# Allegro board FEMA_B40_V0P2.brd (continued)
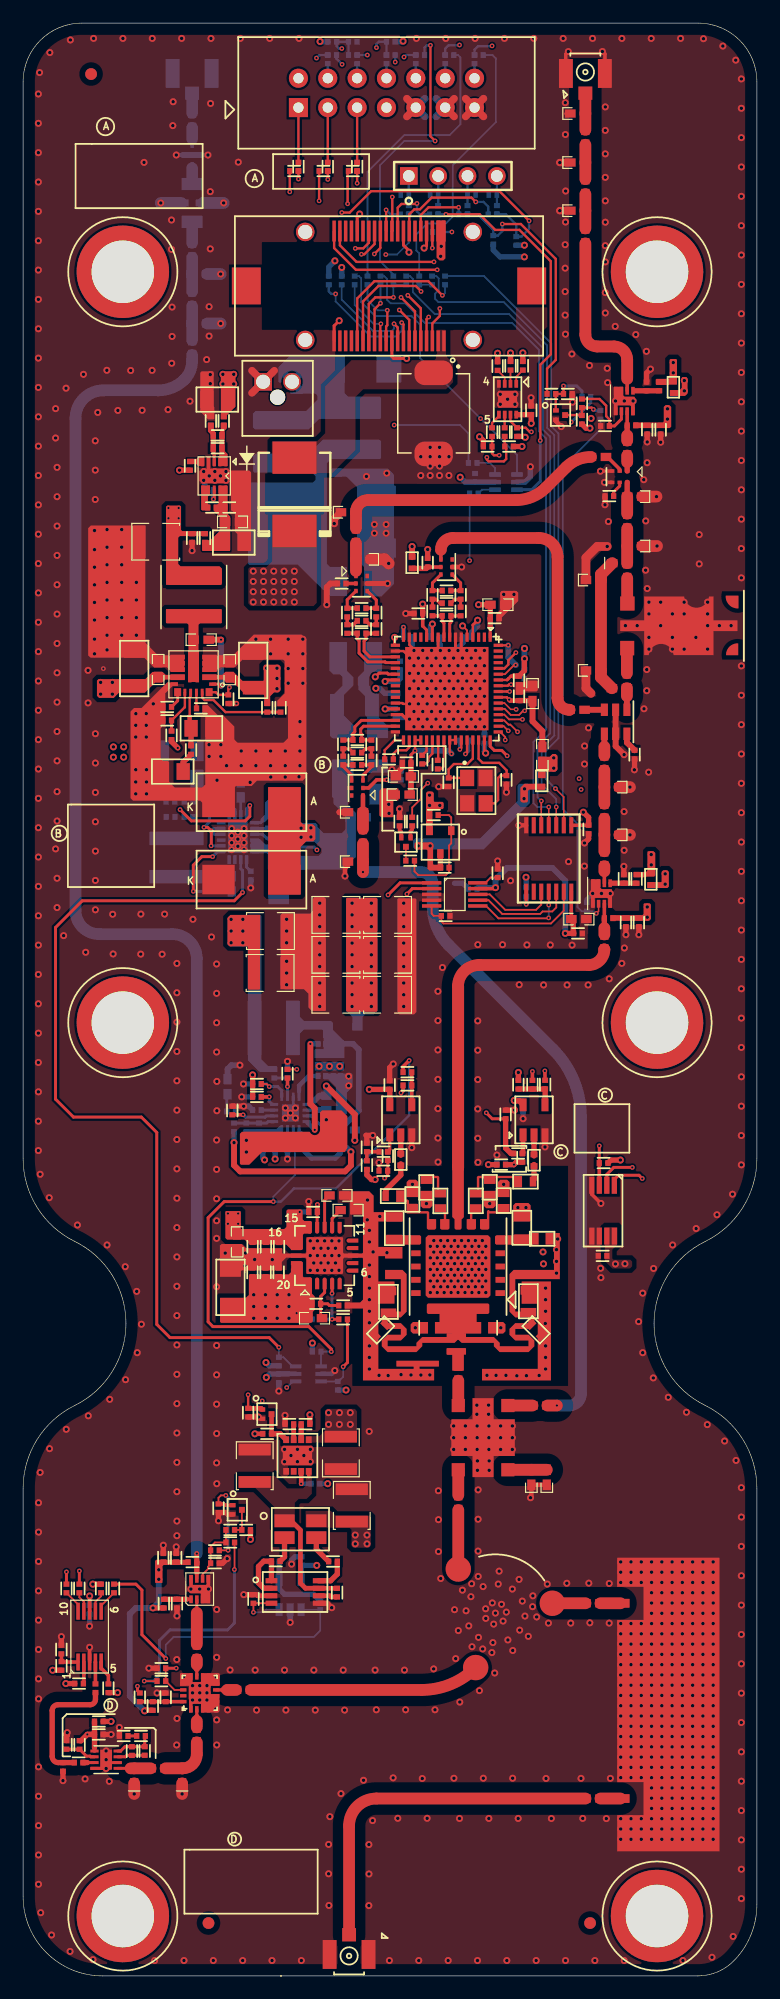
[diagram p0: board, top side]
## Routing (per net, layer and track width the routed paths; a pad name or vN(x,y) marks a point on that pad's centre or on a via; arc(x,y) is an arc through that point) (continued)
VCC_1V8: length 2.2
  TOP w0.457: Q4.2 R119.1 v2(35.17,101.3)
  vias: v2(7.81,106.36) v2(7.81,105.47) v2(8.7,106.36) v2(8.7,105.47) v2(35.17,102.18) v2(36.06,101.3)
VCC_3.3V: length 57.1
  TOP w0.305: U84.1 48.92,99.58 C179.1 ; U79.8 42.77,135.11 ; v2(5.76,32.88) U78.8
  TOP w0.394: R129.1 v2(20.06,46.91)
  TOP w0.457: R38.1 48.71,133.94 v2(49.05,133.94) ; R71.1 39.83,132.88 39.5,133.2 v2(39.5,133.2) ; R65.1 50.87,70.6 v2(51.69,70.6) ; R100.1 v2(19.68,37.77) ; v2(48.48,100.71) 48.94,100.25 C179.1 ; U86.5 31.73,76.71 C250.1 v2(29.96,76.72) ; R70.1 v2(43.17,132.36) ; 42.77,135.11 43.97,135.11 C91.1 v2(43.97,134.36) ; R273.1 29.75,69.31 30.15,68.92 v2(30.47,68.92) ; R63.1 v2(3.69,25.3) ; R69.1 v2(43.25,140.46) ; R123.1 v2(24.81,48.56) ; U85.5 42.92,75.73 42.62,75.73 42.58,75.77 v2(42.5,75.77) ; R66.1 v2(6.04,33.9) ; R284.2 v2(7.61,22.02) ; R271.1 v2(40.26,70.21) ; R98.1 v2(42.86,78.19) ; R64.1 v2(2.56,26.45) ; R283.2 v2(13.53,130.31) ; R68.1 v2(42.18,140.46) ; R73.1 v2(41.06,140.43) ; R67.1 43.32,133.23 43.39,133.15 v2(43.45,133.15) ; R352.1 v2(8.18,24.52)
  L3-SIG1 w0.508: v2(30.47,68.92) 29.5,69.89 29.5,73.78 29.96,74.24 v2(29.96,76.72)
  BOTTOM w0.394: U80.5 23,52.1 ; R124.1 v2(26.36,42.6)
  BOTTOM w0.457: v2(21.02,53.08) 21.3,52.8 R23.1 ; v2(21.05,51.8) 21.34,52.09 C44.1 22.14,52.1 23,52.1 ; R264.1 43.54,95.06 v2(43.52,95.08) ; C249.1 43.12,75.77 v2(42.5,75.77) ; v2(5.76,32.88) 5.75,32.87 C89.1 ; v2(26.98,148.43) 26.45,147.9 R266.1 ; R268.1 40.69,149.35 41.27,148.77 v2(43.38,148.77) ; v2(37.82,129.7) 38.25,129.28 C257.1 U87.5 ; v2(25.41,35.52) C167.1 24.06,35.5 U73.5 ; R269.1 v2(43.38,149.78) ; R267.1 v2(27.57,147.85) ; R22.1 v2(25.03,54.77) ; v2(30.53,111.43) 30.86,111.43 31.29,111 FB10.1
  vias: v1(20.7,49.76) v2(17.29,138.61) v2(17.29,137.77) v2(18.23,138.61) v2(18.23,137.77) v2(36.19,149.68) v2(36.13,148.82) v2(49.15,134.79) v2(51.26,61.61) v2(52.08,61.63)
VCC_5V: length 38.4
  TOP w0.305: v2(40.88,94.18) 40.8,94.1 U74.9 ; C180.1 47.44,92.21 U84.14
  TOP w0.457: R84.2 10.59,22.98 10.54,22.93 v2(10.51,22.93) ; R159.1 v2(11.24,31.84) ; C180.1 47.61,91.3 47.61,90.28 C178.1 46.92,90.22 v2(46.92,90.23)
  BOTTOM w0.457: C168.1 39.38,94.18 v2(40.88,94.18) ; R21.1 v2(27.95,50.7) ; v1(23.67,57.35) 24.2,56.83 R219.1
  BOTTOM w0.508: v2(46.92,90.23) 46.92,94.77 45.8,95.89 41.88,95.89 40.88,94.89 v2(40.88,94.18) ; v2(11.74,35.14) v2(11.74,34.32) 11.74,32.34 v2(11.24,31.84) 9.74,31.84 9.23,31.33 9.23,24.21 v2(10.51,22.93)
  vias: v2(19.96,58.95) v2(19.96,57.93) v2(19.96,56.92) v2(20.97,58.95) v2(20.97,57.93) v2(20.97,56.92) v2(21.99,58.95) v2(21.99,57.93) v2(21.99,56.92) v2(23.01,58.95) v2(23.01,57.93) v2(23.01,56.92) v2(55.56,95.37) v2(55.56,94.48) v2(57.22,138.06) v2(57.22,137.17)
VCC_5V5: length 2.4
  TOP w0.457: v1(18.47,110.11) R210.1 ; R209.1 12.84,106.82 v1(13.39,106.27)
  BOTTOM w0.457: R215.1 v1(23.94,66.11)
  vias: v1(12.57,127.04) v1(12.57,126.15) v1(13.46,127.04) v1(13.46,126.15) v1(17.72,65.98) v1(17.72,65.09) v1(18.61,65.98) v1(18.61,65.09)
VCC_12V: length 3.3
  BOTTOM w0.254: U1.14 25.26,74.93
  BOTTOM w0.457: R29.1 v2(19.32,72.31)
  BOTTOM w0.508: 25.26,74.93 26.23,74.93 C42.1 v2(26.24,74.09)
  vias: v2(6.71,111.94) v2(6.71,110.93) v2(7.72,111.94) v2(7.72,110.93) v2(18,91.44) v2(18,90.42) v2(18,89.41) v2(19.01,91.44) v2(19.01,90.42) v2(19.01,89.41) v2(19.32,71.3) v2(19.91,121.57) v2(19.91,120.68) v2(19.91,119.79) v2(19.91,118.9) v2(20.8,121.57) v2(20.8,120.68) v2(20.8,119.79) v2(20.8,118.9) v2(21.08,113.17) v2(21.69,121.57) v2(21.69,120.68) v2(21.69,119.79) v2(21.69,118.9) v2(21.97,113.17) v2(21.97,112.28) v2(21.97,111.39) v2(22.58,121.57) v2(22.58,120.68) v2(22.58,119.79) v2(22.58,118.9) v2(23.47,121.57) v2(23.47,120.68) v2(23.47,119.79) v2(23.47,118.9) v2(24.06,99.33) v2(24.06,98.54) v2(24.91,99.36) v2(24.91,98.57)
VCC_12VDC: length 3.1
  BOTTOM w0.635: J2.2 24,137.23 ; J2.2 22.54,138.69 ; J2.2 24,138.69
VCC_DRV_5V:
  vias: v2(54.01,92.51) v2(54.01,91.62) v2(54.36,97.04) v2(54.36,96.15)
VCC_PA: length 1.7
  BOTTOM w0.457: R31.2 v2(21.81,70.69) ; C53.2 20.74,70.77 v2(20.89,70.62)
  vias: v2(25.62,78.72) v2(26.43,48.74) v2(26.43,47.73) v2(26.51,78.72) v2(27.4,78.72) v2(27.37,48.74) v2(27.37,47.73) v2(28.31,48.74) v2(28.31,47.73) v2(28.47,92.84) v2(28.47,91.82) v2(28.47,90.81) v2(28.47,89.38) v2(28.47,88.37) v2(28.47,87.35) v2(28.47,85.93) v2(28.47,84.91) v2(28.47,83.9) v2(30.14,92.84) v2(30.14,91.82) v2(30.14,90.81) v2(30.14,89.38) v2(30.14,88.37) v2(30.14,87.35) v2(30.14,85.93) v2(30.14,84.91) v2(30.14,83.9)
VCC_RFPAL_1V8: length 1.2
  TOP w0.457: C151.2 Q4.3
  vias: v2(34.19,97.8) v2(35.22,97.8) v2(43.39,102.73) v2(43.35,101.88)
VDD_LIN_1.8V: length 17.6
  TOP w0.203: 39.92,105.97 39.92,105.97 39.92,105.93 ; U19.4 38.92,116.91 ; 39.92,105.93 v2(40.03,105.82) ; 39.92,105.93 39.92,105.93 U19.47
  TOP w0.254: 34.58,116.82 34.92,116.48 U19.12 ; U19.1 40.42,116.73 ; U19.11 v2(35.42,116.99) ; v2(30.47,112.42) 30.8,112.75 31.5,112.75 31.6,112.65 U19.22 ; 38.92,116.91 v2(39.33,117.32)
  TOP w0.305: 33.66,122.68 FB8.2 33.66,122.93 ; C147.1 34.58,116.82
  TOP w0.457: 40.42,116.73 40.42,117.49 C150.1 40.43,118.66 C155.1 v2(39.41,118.67) ; v2(34.58,118.72) C147.1
  TOP w0.508: 33.66,122.93 v2(33.66,123.7)
  BOTTOM w0.457: C145.1 39.92,105.93 v2(40.03,105.82) ; C146.1 38.82,116.3 39.33,116.81 v2(39.33,117.32) ; C156.1 35.25,116.83 v2(35.42,116.99)
  vias: v2(31.64,101.4) v2(31.67,100.61) v2(45.92,105.41) v2(45.92,104.52)
VDD_LIN_3.3V: length 91.6
  TOP w0.152: v2(38.03,116.83) 38.42,116.45 U19.5
  TOP w0.203: U19.58 41.88,112.15
  TOP w0.254: 41.88,112.15 42.22,112.49 42.45,112.49 ; U19.23 31.56,112.15 31.49,112.08 31.38,112.08 v2(31.33,112.03) ; v2(32.15,115.84) 32.15,115.23 U19.17 ; U19.28 31.62,109.65 31.61,109.64 v2(31.33,109.64)
  TOP w0.457: v2(43.39,114) 43.39,113.94 43.37,113.93 43.37,112.95 C159.1 42.45,112.49
  L5-PWR w0.457: 42.61,165.43 41.93,166.12 34.2,166.12 v2(32.88,167.44) 32.56,167.76 26.04,167.76 25.7,167.41 v2(25.7,167.41)
  L5-PWR w0.508: 42.61,165.43 45.09,162.96 45.09,141.4 50.5,135.99 50.5,135.98 50.95,135.54 50.95,135.54 52.72,133.76 52.72,119.38 47.34,114 v2(43.39,114)
  BOTTOM w0.457: C154.1 32.63,112.26 FB10.2 32.33,112.03 31.4,112.03 ; R108.1 25.72,167.38 25.7,167.41 v2(25.7,167.41) ; C153.1 31.62,109.65 31.61,109.64 v2(31.33,109.64) ; v2(32.88,167.44) 32.76,167.44 32.71,167.39 R256.1
  BOTTOM w0.508: 31.4,112.03 v2(31.33,112.03)
  vias: v2(43.39,114.87)
3P3V_REV_PD: length 5.1
  TOP w0.305: U88.5 6.18,19.75
  TOP w0.457: R307.2 5.02,20.36 v1(5.56,20.9) ; C261.2 5.95,20.9 ; C261.2 6.18,19.75 ; C261.2 R284.1 ; 5.95,20.9 v1(5.56,20.9) ; 5.95,20.9 v1(5.56,20.9)
  BOTTOM w0.457: C261.2 v1(5.56,20.9)
ANT_CIR_OUT: length 20
  TOP w1.016: C109.2 34.5,24.75 arc(37.02,25.25) U3.3
ANT_REF_PWR_DET_OUT: length 11.1
  TOP w0.457: R74.1 6.26,23.93 arc(6.13,23.6) 5.8,23.47 3.02,23.47 arc(2.66,23.32) 2.52,22.97 2.52,18.98 arc(2.67,18.61) 3.04,18.46 C277.1 R306.2
CH1_TRX_CNTRL: length 8.9
  TOP w0.152: R97.1 R96.2 13.1,24.75 U22.14
  TOP w0.254: v1(9.9,25.07) 9.9,24.69 R95.2 ; v1(13.25,26.63) R97.1
  L4-SIG2 w0.119: v1(13.25,26.63) 12.64,26.02 10.23,26.02 9.9,25.69 v1(9.9,25.07)
CH1_VCC_5V_SWIT: length 3.8
  TOP w0.305: U22.16 C101.1 R84.1 R95.1
DAC_CLR: length 14.8
  TOP w0.152: U74.5 35.36,91.92 35.53,91.74 36.18,91.74 R139.1 36.19,91.26 36.37,91.08 45.68,91.08 46.79,92.19 U84.13
DAC_CLR_CLR: length 54.7
  TOP w0.127: U84.2 46.79,102.03 v1(46.07,102.75)
  BOTTOM w0.152: v1(46.07,102.75) 45.23,103.59 45.23,106.02 46.32,107.11 46.32,133.5 45.7,134.12 45.7,141.29 39.88,147.11 R270.1
FREQ_R: length 3.3
  TOP w0.152: v1(21.3,76.96) 21.07,77.19 R26.2
  BOTTOM w0.254: U1.9 22.38,76.62 22.04,76.96 v1(21.3,76.96) 21.07,77.19 R26.2
I2C_SCL: length 186.7
  TOP w0.203: J1.40 26.91,149.53 28.8,147.65 v1(35.83,147.65) ; v1(40.13,131.42) 40.13,131.23 40.29,131.07 41.6,131.07 41.8,131.28 41.8,132.24 R70.2 41.68,132.37 R76.2
  TOP w0.254: R80.2 v1(3.75,34.96) ; U82.2 50.51,69.37 51.12,69.97 v1(52.72,69.97)
  L3-SIG1 w0.203: v1(3.75,34.96) 5.26,36.47 13.82,36.47 14.43,37.08 15.57,37.08 18.46,34.19 31.94,34.19 35.5,37.74 46.65,37.74 51.11,42.21 51.11,59.76 52.72,61.37 v1(52.72,69.97) 52.72,74.23 47.75,79.2 47.75,87.27 48.15,87.68 48.15,94.72 47.87,94.99 47.87,97.19 47.49,97.58 47.49,102.99 v1(48.12,103.62)
  L4-SIG2 w0.203: v1(48.12,103.62) 47.78,103.95 47.78,124.28 41.35,130.71 40.85,130.71 v1(40.13,131.42) 40.13,135.22 36.82,138.54 36.82,146.67 v1(35.83,147.65)
I2C_SDA: length 185.5
  TOP w0.203: R77.2 40.58,132.37 R71.2 40.58,131.77 40.74,131.6 v1(41.2,131.6) ; J1.39 27.41,149.77 28.85,148.34 v1(35.55,148.34)
  TOP w0.254: v1(53.58,69.01) 53.3,69.29 51.53,69.29 51.16,68.92 U82.1 ; R79.2 v1(4.87,35.04)
  L3-SIG1 w0.203: v1(48.29,102.67) 49.66,101.31 49.66,95.69 48.6,94.63 48.6,87.34 48.15,86.89 48.15,79.86 53.58,74.43 v1(53.58,69.01) 53.58,62.3 53.58,62.29 53.58,61.41 51.79,59.62 51.79,41.97 45.53,35.71 35.38,35.71 33.4,33.73 17.52,33.73 15.34,35.92 5.74,35.92 v1(4.87,35.04)
  L4-SIG2 w0.203: v1(48.29,102.67) 49.71,104.09 49.71,123.09 v1(41.2,131.6) 41.2,134.92 37.35,138.77 37.35,147.38 36.57,148.16 35.73,148.16 v1(35.55,148.34)
INT_VCC: length 18.1
  TOP w0.457: v2(19.86,77.98) R26.1 R24.1
  TOP w0.508: v2(28.7,72.31) 28.7,74.55 v2(26.24,77.01)
  L3-SIG1 w0.508: v2(19.86,77.98) 23.06,77.98 24.02,77.01 v2(26.24,77.01)
  BOTTOM w0.254: 25.21,75.74 24.9,75.43 U1.13
  BOTTOM w0.457: D2.A v2(28.7,72.31)
  BOTTOM w0.508: v2(26.24,77.01) C41.1 25.64,76.17 25.21,75.74
LDO_5V_PG: length 4.7
  TOP w0.254: U48.4 26.74,59.08 26.73,59.07 v1(26.73,59.07) ; R220.1 v1(26.73,56.83)
  BOTTOM w0.254: v1(26.73,59.07) 26.73,59.07 26.73,59.03 v1(26.73,56.83) R219.2
LIN2_RST: length 39.7
  TOP w0.203: J1.7 33.41,143.31 v1(32.56,144.17)
  L3-SIG1 w0.203: v1(32.56,144.17) 33.74,142.98 36.15,142.98 36.88,143.72 36.88,149.93 36.34,150.47 34.51,150.47 30.14,154.83 30.14,165 28.34,166.8 v1(27.58,166.8)
  BOTTOM w0.203: R254.1 C131.1 R108.2 27.13,167.38 27.13,167.01 27.34,166.8 v1(27.58,166.8)
LIN2_RST_R: length 80.5
  TOP w0.152: v1(41.72,106.96) 41.72,107.21 41.28,107.65 U19.49
  L4-SIG2 w0.203: v1(29.79,166.24) 26.8,166.24 26.49,166.55 23.52,166.55 22.32,165.35 22.32,141.73 24.99,139.07 24.99,132.93 32.14,125.78 39.03,125.78 40.56,124.26 40.56,108.12 v1(41.72,106.96)
  BOTTOM w0.203: R255.2 v1(29.79,166.24)
LIN2_STATO: length 28.7
  TOP w0.203: v1(36.06,144.3) 36.06,143.66 35.41,143.01 J1.3
  L3-SIG1 w0.203: v1(36.06,144.3) 35.68,144.68 35.68,147.06 34.03,148.72 34.03,149.43 29.61,153.85 29.61,156.87 27.6,158.88 v1(27.6,165.43)
  BOTTOM w0.203: R238.2 27.12,165.92 v1(27.6,165.43)
LIN2_STATO_R: length 69.9
  TOP w0.203: U19.57 41.94,111.65 42.04,111.75 v1(42.23,111.75)
  L4-SIG2 w0.203: v1(42.23,111.75) 43.64,111.75 44,112.11 44,123.35 40.28,127.08 34.59,127.08 32.58,129.09 32.58,133.02 26.37,139.23 26.37,149.09 27.07,149.78 27.07,156.23 25.06,158.24 25.06,165.65 v1(25.39,165.97)
  BOTTOM w0.203: v1(25.39,165.97) 25.65,166.24 R242.1
LIN2_TESTSEL: length 21.4
  TOP w0.203: J1.5 34.41,144.32 v1(33.29,145.44) ; R240.2 v1(25.62,153.62)
  L3-SIG1 w0.203: v1(25.62,153.62) 25.95,153.95 28.26,153.95 28.77,153.44 28.77,152.98 28.49,152.71 28.49,152.02 29.1,151.41 30.52,151.41 32.35,149.58 32.35,148.74 33.29,147.8 v1(33.29,145.44)
LIN2_TESTSEL_R: length 54.8
  TOP w0.203: R262.1 v1(26.37,155.48) ; v1(42.64,114.52) 41.99,113.87 41.99,113.49 41.65,113.15 U19.60
  L4-SIG2 w0.203: v1(26.37,155.48) 26.37,153.27 25.97,152.87 25.97,138.92 32.18,132.71 32.18,129.25 32.18,128.92 34.42,126.67 39.8,126.67 43.3,123.16 43.3,116 42.64,115.34 v1(42.64,114.52)
LIN2_TXENB: length 18
  TOP w0.203: v1(28.08,153.37) 28.08,156.13 R241.2 ; v1(32.71,145.26) 33.91,144.06 J1.6
  L3-SIG1 w0.203: v1(28.08,153.37) 28.08,152.82 28.09,152.81 28.09,152.39 28.08,152.39 28.08,151.79 28.87,151 30.32,151 31.94,149.38 31.94,148.57 32.71,147.81 v1(32.71,145.26)
LIN2_TXENB_R: length 58.5
  TOP w0.203: v1(42.1,111.16) 41.87,111.16 41.87,111.15 U19.56 ; R263.1 v1(28.91,155.14)
  L4-SIG2 w0.203: v1(28.91,155.14) 29.81,154.24 29.81,146.71 29.38,146.28 29.38,137.87 32.99,134.26 32.99,129.25 34.51,127.74 40.38,127.74 44.5,123.62 44.5,111.51 44.14,111.16 v1(42.1,111.16)
LIN2_WDTEN: length 22.9
  TOP w0.203: R239.2 v1(23.08,154.4) ; J1.4 34.91,143.38 v1(35.1,143.56)
  L3-SIG1 w0.203: v1(23.08,154.4) 23.12,154.44 28.35,154.44 32.76,150.04 32.76,148.95 35.1,146.61 v1(35.1,143.56)
LIN2_WDTEN_R: length 61.1
  TOP w0.152: U19.50 41.59,108.15 v1(41.99,107.76)
  TOP w0.203: R261.1 v1(23.83,155.5)
  L4-SIG2 w0.203: v1(23.83,155.5) 23.83,153.92 25.56,152.18 25.56,132.94 32.31,126.19 39.39,126.19 40.96,124.61 40.96,108.78 v1(41.99,107.76)
PA_CIR_OUT: length 61.4
  TOP w1.016: v1(29.41,95.53) R107.2 R105.2 ; C278.2 v1(46.19,49.36)
  BOTTOM w1.016: v1(29.41,95.53) 34.41,95.53 arc(35.14,95.23) 35.44,94.5 35.44,92.55 arc(35.8,90.74) 36.82,89.21 45.87,80.17 arc(47.65,77.5) 48.28,74.36 48.28,50.38 arc(47.98,49.66) 47.26,49.36 v1(46.19,49.36)
PA_CIR_OUT_N: length 4.9
  TOP w0.254: L10.1 29.3,107.46 29.21,107.54 29.21,107.9 29.47,108.15 U19.31
  TOP w0.26: L10.1 30.13,106.96 L8.2
PA_CIR_OUT_P: length 5.8
  TOP w0.254: L10.2 28.55,107.51 28.71,107.67 28.71,108.09 29.27,108.65 U19.30
  TOP w0.305: L12.2 27.71,106.96 L10.2
PA_COUP_IN: length 23.6
  TOP w1.016: R116.2 R118.2 arc(29.11,127.41) 29.85,127.72 42.64,127.72 arc(44.04,128) 45.23,128.79 47.01,130.57 arc(47.99,131.23) C61.1
PA_COUP_IN_C: length 1.8
  TOP w0.254: 51.63,130.39 U29.2
  TOP w0.305: 51.63,130.39 50.57,131.45 C61.2
PA_COUP_IN_N: length 6.1
  TOP w0.254: L30.1 28.92,115.7 29.07,115.54 29.07,114.48 29.83,113.72 31.32,113.72 31.39,113.65 U19.20
  TOP w0.343: L30.1 28.91,116.19 L14.2
PA_COUP_IN_P: length 5.4
  TOP w0.254: U19.19 30.01,114.15 29.51,114.66 29.51,115.52 29.67,115.68 L30.2
  TOP w0.343: L16.2 30.56,116.18 L30.2
PA_CS_OUT: length 27.9
  TOP w0.254: R78.1 9.76,33.9 10.28,33.39 10.28,29.53 v1(12.35,27.46)
  BOTTOM w0.152: U73.1 25.71,31.69 R130.2 25.72,29.89 25.16,29.33 13.03,29.33 12.35,28.66 v1(12.35,27.46)
PA_ENABLE: length 95.9
  TOP w0.305: v1(32.7,76.42) 32.88,76.6 R298.1 ; R296.1 v1(45.15,78.32)
  L3-SIG1 w0.203: v1(31.38,148.97) 29.92,147.5 29.92,141.51 28.7,140.29 28.7,108.97 29.92,107.75 29.92,100.43 33.75,96.6 33.75,81.61 32.7,80.56 v1(32.7,76.42) 43.33,76.42 v1(45.15,78.32)
  BOTTOM w0.152: v1(31.38,148.97) 32.35,148.97 33.38,150 R360.2
PA_RFPAL_OUT_N: length 2.8
  TOP w0.254: U19.9 36.42,117.07 36.27,117.22 L11.1
  TOP w0.26: R111.1 35.43,117.7 L11.1
PA_RFPAL_OUT_P: length 2.7
  TOP w0.254: L11.2 37.02,117.13 36.92,117.04 U19.8
  TOP w0.26: L11.2 37.86,117.7 R113.1
PA_TEMP_SNS: length 104.5
  TOP w0.203: J1.30 31.95,151.04 v1(31.95,153.95)
  TOP w0.254: R65.2 v1(49.86,71.83)
  TOP w0.305: U82.3 49.86,70.35 R65.2
  L3-SIG1 w0.203: v1(31.95,153.95) 37.84,153.95 38.17,154.28 43.48,154.28 45.61,152.15 45.61,137.23 47.97,134.87 47.97,122.29 46.98,121.29 46.98,97.63 46.25,96.91 46.25,79.22 49.86,75.61 v1(49.86,71.83)
PA_VDS_EN: length 116.1
  TOP w0.203: J1.8 32.91,142.92 v1(32.76,143.08) ; v1(19.47,50.29) R131.1
  TOP w0.406: Q6.1 20.6,49.12 R131.1
  L3-SIG1 w0.203: v1(27.04,145.56) 26.53,145.05 26.53,142.93 27.04,142.42 27.04,128.4 25.8,127.15 25.8,123.52 27.04,122.28 27.04,103.48 21.64,98.07 21.64,88.54 18.05,84.96 18.05,74.65 19.96,72.75 19.96,64.16 18.54,62.74 18.54,51.23 v1(19.47,50.29)
  BOTTOM w0.152: v1(32.76,143.08) 32.76,142.37 32.28,141.88 30.07,141.88 27.04,144.91 v1(27.04,145.56)
  BOTTOM w0.203: v1(27.04,145.56) 26.67,145.56 26.45,145.78 R266.2
PA_VDS_PGOOD: length 69
  TOP w0.254: v1(26.67,54.02) 26.67,54.24 24.72,56.19 16.42,56.19 16.01,56.6 16.01,65.61 17.4,67.01 v1(21.65,67.01)
  TOP w0.305: v1(33.41,79.22) 32.88,78.69 R278.1 ; R277.1 v1(44.07,78.27)
  L3-SIG1 w0.254: v1(44.07,78.27) 43.13,79.22 v1(33.41,79.22)
  BOTTOM w0.152: U1.2 23.38,72.48 23.52,72.34 23.52,69.3 21.65,67.43 v1(21.65,67.01) ; U80.1 R22.2 v1(26.67,54.02)
  BOTTOM w0.203: v1(33.41,79.22) 33.41,74.48 27.07,68.15 23.43,68.15 22.3,67.01 v1(21.65,67.01)
PA_VGS_C: length 1.5
  TOP w0.457: 44.21,70.22 FB14.2 44.21,68.97 arc(44.19,68.84) R55.1
PA_VGS_CARRIER: length 36.8
  TOP w0.152: 34.09,94.1 33.68,94.1
  TOP w0.254: v1(40.08,74.69) 40.6,74.18 R295.1 ; U74.2 33.68,94.1 v1(33.21,93.63)
  TOP w0.457: R351.1 42.21,71.18 41.76,71.63 R295.1
  L3-SIG1 w0.203: v1(33.21,93.63) 32.79,93.63 31.35,92.19 31.35,75.48 32.71,74.12 39.51,74.12 v1(40.08,74.69)
PA_VGS_P: length 3.3
  TOP w0.457: R62.1 31.37,67.99 32.68,69.31 FB15.2 32.68,70.27
PA_VGS_PEAK: length 31.3
  TOP w0.254: v1(31.58,93.55) 32.63,94.6 U74.1 ; R350.1 31.56,69.69 R297.1 31.55,69.31 v1(31.28,69.04)
  L4-SIG2 w0.254: v1(31.28,69.04) 32.13,69.88 32.13,72.29 31.11,73.31 31.11,93.08 v1(31.58,93.55)
PSU_PGOOD: length 107.2
  TOP w0.203: v1(30.39,149.02) 30.91,149.54 J1.32
  L3-SIG1 w0.203: v1(30.39,149.02) 29.42,148.05 29.42,141.75 28.29,140.62 28.29,108.8 29.42,107.67 29.42,98.24 26.58,95.4 26.58,80.98 28.78,78.78 28.78,76.56 27.76,75.54 27.76,67.64 24.18,64.06 24.18,52.28 v1(22.81,50.92)
  BOTTOM w0.152: v1(22.81,50.92) 23.35,51.45 U80.4
RF_DET_REV_OUT: length 1
  TOP w0.254: U88.7 5.56,18.46
  TOP w0.457: 5.56,18.46 R306.1
RX_ATTN_IN: length 2.9
  BOTTOM w1.016: R99.2 R102.2 C126.1
RX_DUPL_OUT: length 1.5
  TOP w0.254: U22.11 15.03,26.54
  TOP w0.508: 15.03,26.54 15.03,26.93
  TOP w1.016: 15.03,26.93 C127.2
RX_LNA_EN: length 5.6
  TOP w0.152: R103.2 R355.2 16.6,37.51 16.23,37.14 R356.2 C128.1 16.23,35.64 15.99,35.4 15.99,35.21 15.53,34.75 U21.6
RX_LNA_OUT: length 122.5
  TOP w0.254: U21.7 15.03,34.88
  TOP w0.394: L7.2 v1(15.03,36.55)
  TOP w0.457: L7.2 15.03,35.81 15.03,34.88
  BOTTOM w1.016: C126.2 14.63,139.77 arc(14.45,138.89) 13.95,138.15 arc(12.93,137.46) 11.71,137.22 6.96,137.22 arc(5.24,136.51) 4.53,134.79 4.53,92.21 arc(5.13,90.76) 6.59,90.15 12.93,90.15 arc(14.41,89.54) 15.03,88.05 v1(15.03,36.55)
RX_RF_ENB: length 149.7
  TOP w0.152: R356.1 v1(17.74,36.83) ; v1(17.54,41.58) 17.11,41.58 16.91,41.38 R104.1 16.97,40.92
  TOP w0.203: v1(43.78,151.89) 41.22,154.46 30.11,154.46 28.26,152.6 v1(27.58,152.6)
  TOP w0.305: Q3.1 17.46,40.74 17.35,40.85 16.91,40.85 R104.1
  L3-SIG1 w0.203: v1(17.54,41.58) 17.54,42.24 18.13,42.82 18.13,62.91 19.55,64.33 19.55,69.41 17.64,71.32 17.64,85.97 21.13,89.46 21.13,98.83 26.64,104.34 26.64,115.39 25.39,116.64 25.39,127.48 26.64,128.73 26.64,142.21 26.13,142.72 26.13,149.8 27.58,151.26 v1(27.58,152.6)
  BOTTOM w0.203: v1(43.78,151.89) 43.78,151.18 43.13,150.53 R269.2 42.67,151.56 41.78,152.45 R363.2
  BOTTOM w0.254: v1(17.74,36.83) 17.74,41.39 v1(17.54,41.58)
SPI_APD_EN: length 25.1
  BOTTOM w0.152: U87.1 42.74,131.62 v1(39.59,134.77) 34.36,140 34.36,142.9 33.62,143.64 30.47,143.64 29.26,144.86 29.26,146.91 29.06,147.11 R189.1
SPI_DAC_CLK: length 8.9
  TOP w0.152: U84.12 46.14,92.47 45.79,92.12 44.96,92.12 44.75,91.91 41.46,91.91 40.27,93.1 U74.7
SPI_DAC_EN: length 8.9
  TOP w0.152: U74.6 40.06,92.6 41.14,91.52 45.44,91.52 v1(45.48,91.56) ; U84.11 v1(45.49,92.67)
  BOTTOM w0.152: v1(45.48,91.56) 45.49,91.57 v1(45.49,92.67)
SPI_DAC_MOSI: length 7.3
  TOP w0.152: U84.10 44.84,92.71 44.39,92.26 41.72,92.26 40.38,93.6 U74.8
SPI_ENABLE: length 45.8
  L4-SIG2 w0.203: v1(32.11,134.22) 28.21,138.12 28.21,152.43 28.67,152.89 28.67,154.54 28.29,154.92 28.29,157.18 30.15,159.04 30.15,165.19 30.59,165.63 v1(32.2,165.63)
  BOTTOM w0.152: v1(32.11,134.22) 37.81,134.22 38.54,133.49 R305.1
  BOTTOM w0.203: v1(32.2,165.63) 32.2,165.68 32.2,165.69 R248.1
SPI_ENABLE_LVL: length 60.4
  TOP w0.127: U84.4 v1(45.49,101.16)
  BOTTOM w0.152: R191.1 31.24,147.11 31.49,146.86 31.49,145.06 31.8,144.75 33.06,144.75 34.76,143.05 42.31,143.05 44.64,140.73 44.64,133.68 45.23,133.08 45.23,133.08 45.26,133.05 45.26,107.87 44.16,106.78 44.16,101.49 44.5,101.16 v1(45.49,101.16)
SPI_ENABLE_R: length 80.1
  TOP w0.152: 43.14,108.74 v1(43.21,108.74) ; 43.14,108.74 43.13,108.73 ; 43.14,108.74 42.05,108.74 41.64,109.15 U19.52
  L4-SIG2 w0.203: v1(43.21,108.74) 43.61,108.74 45.51,110.65 45.51,124.26 40.99,128.78 34.62,128.78 33.8,129.59 33.8,134.95 30.27,138.48 30.27,145.67 32.38,147.77 32.38,152.73 34.64,154.99 34.64,159.64 35.25,160.25 35.25,165.76 34.44,166.57 30.88,166.57 v1(30.58,166.88)
  BOTTOM w0.203: R257.2 R256.2 30.78,167.39 30.58,167.19 v1(30.58,166.88)
SPI_MISO: length 25.2
  BOTTOM w0.152: R249.1 37.64,166.24 37.84,166.03 37.84,160.25 36.9,159.31 32.99,159.31 29.81,156.12 R190.1
SPI_MISO_R: length 73.9
  TOP w0.127: v1(42.67,109.61) 42.2,109.61 41.65,110.15
  TOP w0.152: U19.54 41.65,110.15
  L4-SIG2 w0.203: v1(37.76,167.11) 37.76,160.3 37.13,159.66 37.13,154.91 32.78,150.57 32.78,147.27 33.8,146.25 33.8,143.51 35.68,141.63 35.68,134.09 40.43,129.34 41.19,129.34 46.02,124.51 46.02,110.29 43.96,108.24 43,108.24 42.98,108.26 42.67,108.57 v1(42.67,109.61)
  BOTTOM w0.203: v1(37.76,167.11) 37.74,167.08 36.82,167.08 36.53,166.78 R249.2
SPI_MOSI: length 25.4
  TOP w0.203: v1(35.25,167.08) 35.25,159.21 v1(35.66,158.8)
  BOTTOM w0.152: v1(35.66,158.8) 32.99,158.8 30.88,156.69 30.88,148.41 32.04,147.25 R186.1
  BOTTOM w0.203: v1(35.25,167.08) 34.94,167.08 34.74,166.88 R247.1
SPI_MOSI_LVL: length 57.2
  TOP w0.127: U84.5 44.84,100.97
  TOP w0.152: v1(44.84,101.68) 44.84,101.68 44.84,100.97
  BOTTOM w0.152: R188.1 33.48,147.11 33.73,146.86 33.73,145.72 35.63,143.82 42.06,143.82 44.99,140.88 44.99,133.82 45.59,133.23 45.59,133.23 45.61,133.2 45.61,107.54 44.52,106.45 44.52,102.01 v1(44.84,101.68)
SPI_MOSI_R: length 72.6
  TOP w0.152: U19.53 41.67,109.65 42.2,109.13 42.91,109.13 43.27,109.49 v1(43.41,109.49)
  L4-SIG2 w0.203: v1(32.96,166.07) 32.71,165.81 32.71,158.65 31.41,157.35 31.41,153.64 31.92,153.13 31.92,148.06 29.79,145.92 29.79,138.3 33.4,134.7 33.4,129.42 34.57,128.24 40.63,128.24 45,123.88 45,111.08 v1(43.41,109.49)
  BOTTOM w0.203: R258.2 33.13,166.24 v1(32.96,166.07)
SPI_SCLK: length 24
  BOTTOM w0.152: R246.1 40.62,166.24 40.91,165.94 40.91,160.43 37.18,156.69 37.18,152.25 36.59,151.66 34.97,151.66 34.03,150.72 34.03,149.33 34.28,149.08 R185.1
SPI_SCLK_LVL: length 56.7
  TOP w0.127: U84.3 v1(46.14,101.16)
  BOTTOM w0.152: R187.1 35.76,147.11 35.96,146.91 35.96,145.9 35.66,145.59 35.66,145.14 35.94,144.86 41.6,144.86 45.35,141.11 45.35,133.97 45.94,133.38 45.94,133.37 45.97,133.35 45.97,107.34 44.87,106.24 44.87,103.1 46.14,101.84 v1(46.14,101.16)
SPI_SCLK_R: length 75.6
  TOP w0.152: U19.51 41.64,108.65 42,108.29 42.16,108.29 v1(42.78,107.67) 42.76,107.67
  L4-SIG2 w0.203: v1(40.58,167.03) 40.58,157.96 39.75,157.12 39.75,154.66 39.21,154.13 37.1,154.13 34.09,151.12 34.09,147.38 35.15,146.33 35.15,144.49 36.24,143.4 36.24,134.29 40.51,130.02 41.27,130.02 46.53,124.77 46.53,109.86 44.34,107.67 v1(42.78,107.67)
  BOTTOM w0.203: v1(40.58,167.03) 40.56,167.01 39.36,167.01 39.07,166.71 R246.2
TRX_SWIT_CNTRL: length 167.8
  TOP w0.127: 18.3,35.18 v1(18.28,35.17)
  TOP w0.152: R96.1 v1(10.48,25.51) ; R355.1 18.3,35.18
  L3-SIG1 w0.203: v1(18.28,35.17) 18.78,34.67 31.71,34.67 35.47,38.43 46.6,38.43 48.84,40.67 48.84,75.67 44.31,80.19 44.31,121.42 43.25,122.48 v1(38.64,122.48) 38.64,127.37 42.53,131.27 45.5,131.27 47.43,133.2 v1(47.43,134.47)
  BOTTOM w0.152: v1(38.64,122.48) R304.1
  BOTTOM w0.254: R353.1 49.12,136.15 v1(47.43,134.47) ; v1(18.28,35.17) 18.28,30.54 17.69,29.95 12.72,29.95 11.8,29.03 11.8,26.04 11.27,25.51 v1(10.48,25.51)
TRX_SWIT_CNTRL_LVL: length 33.2
  TOP w0.203: v1(36.59,152.45) 39.51,152.45 40.86,151.1 42.95,151.1 45.66,148.39 45.66,140.34 44.76,139.44 44.76,132.89 v1(44.75,132.88)
  BOTTOM w0.203: R361.2 v1(36.59,152.45)
  BOTTOM w0.254: U87.3 44.03,128.62 44.75,129.35 v1(44.75,132.88)
TX_ATTN_IN: length 3.2
  TOP w1.016: CON2.1 D4.2 C58.1
TX_ATTN_IN_C: length 3
  TOP w1.016: C58.2 R36.2 R34.1
TX_ATTN_OUT: length 15.4
  TOP w0.305: 52.28,138.22 U28.2
  TOP w1.016: C59.2 48.66,142.03 arc(48.95,141.31) 49.67,141.02 51.13,141.02 arc(51.94,140.68) 52.28,139.87 52.28,138.22
TX_ATTN_OUT_C: length 3
  TOP w1.016: C59.1 R37.2 R34.2
TX_BPF_IN: length 2.9
  TOP w1.016: C80.1 U3.2
TX_CPLLR_OUT: length 2.7
  TOP w0.457: R50.2 U29.6
  TOP w1.016: R48.2 R50.2
TX_CPLR2_OUT: length 1.9
  TOP w0.508: 50.3,106.37 U32.4
  TOP w1.016: C67.2 50.3,106.37
TX_CPLR_3_IN: length 2.1
  TOP w1.016: U4.2 C78.2
TX_CPLR_3_OUT: length 2.2
  TOP w1.016: U4.1 C77.1
TX_CPLR_ATTN: length 2.9
  TOP w1.016: C67.1 R52.2 R45.1
TX_CPLR_PORT: length 1.4
  TOP w0.254: R35.1 51.1,128.42 51.63,128.94 U29.5
TX_DELY_BYPAS: length 11.6
  TOP w1.016: R43.1 50.01,112.38 R365.2 R364.2 50.01,121.29 R44.2
TX_DELY_IN: length 3
  TOP w1.016: R48.1 R49.2 R47.2
TX_DELY_IN_R: length 2.2
  TOP w0.152: 52.28,118.82 52.28,118.79 U30.1
  TOP w1.016: 52.28,118.82 R47.1
TX_DELY_OUT: length 2.2
  TOP w0.152: U30.4 52.25,114.88
  TOP w1.016: 52.25,114.88 R46.2
TX_DELY_OUT_R: length 1.9
  TOP w0.508: 52.25,110.77 U32.1
  TOP w1.016: R46.1 52.25,110.77